# Altium PCB PCB_RF.PcbDoc (part 1 of 2) (continued)
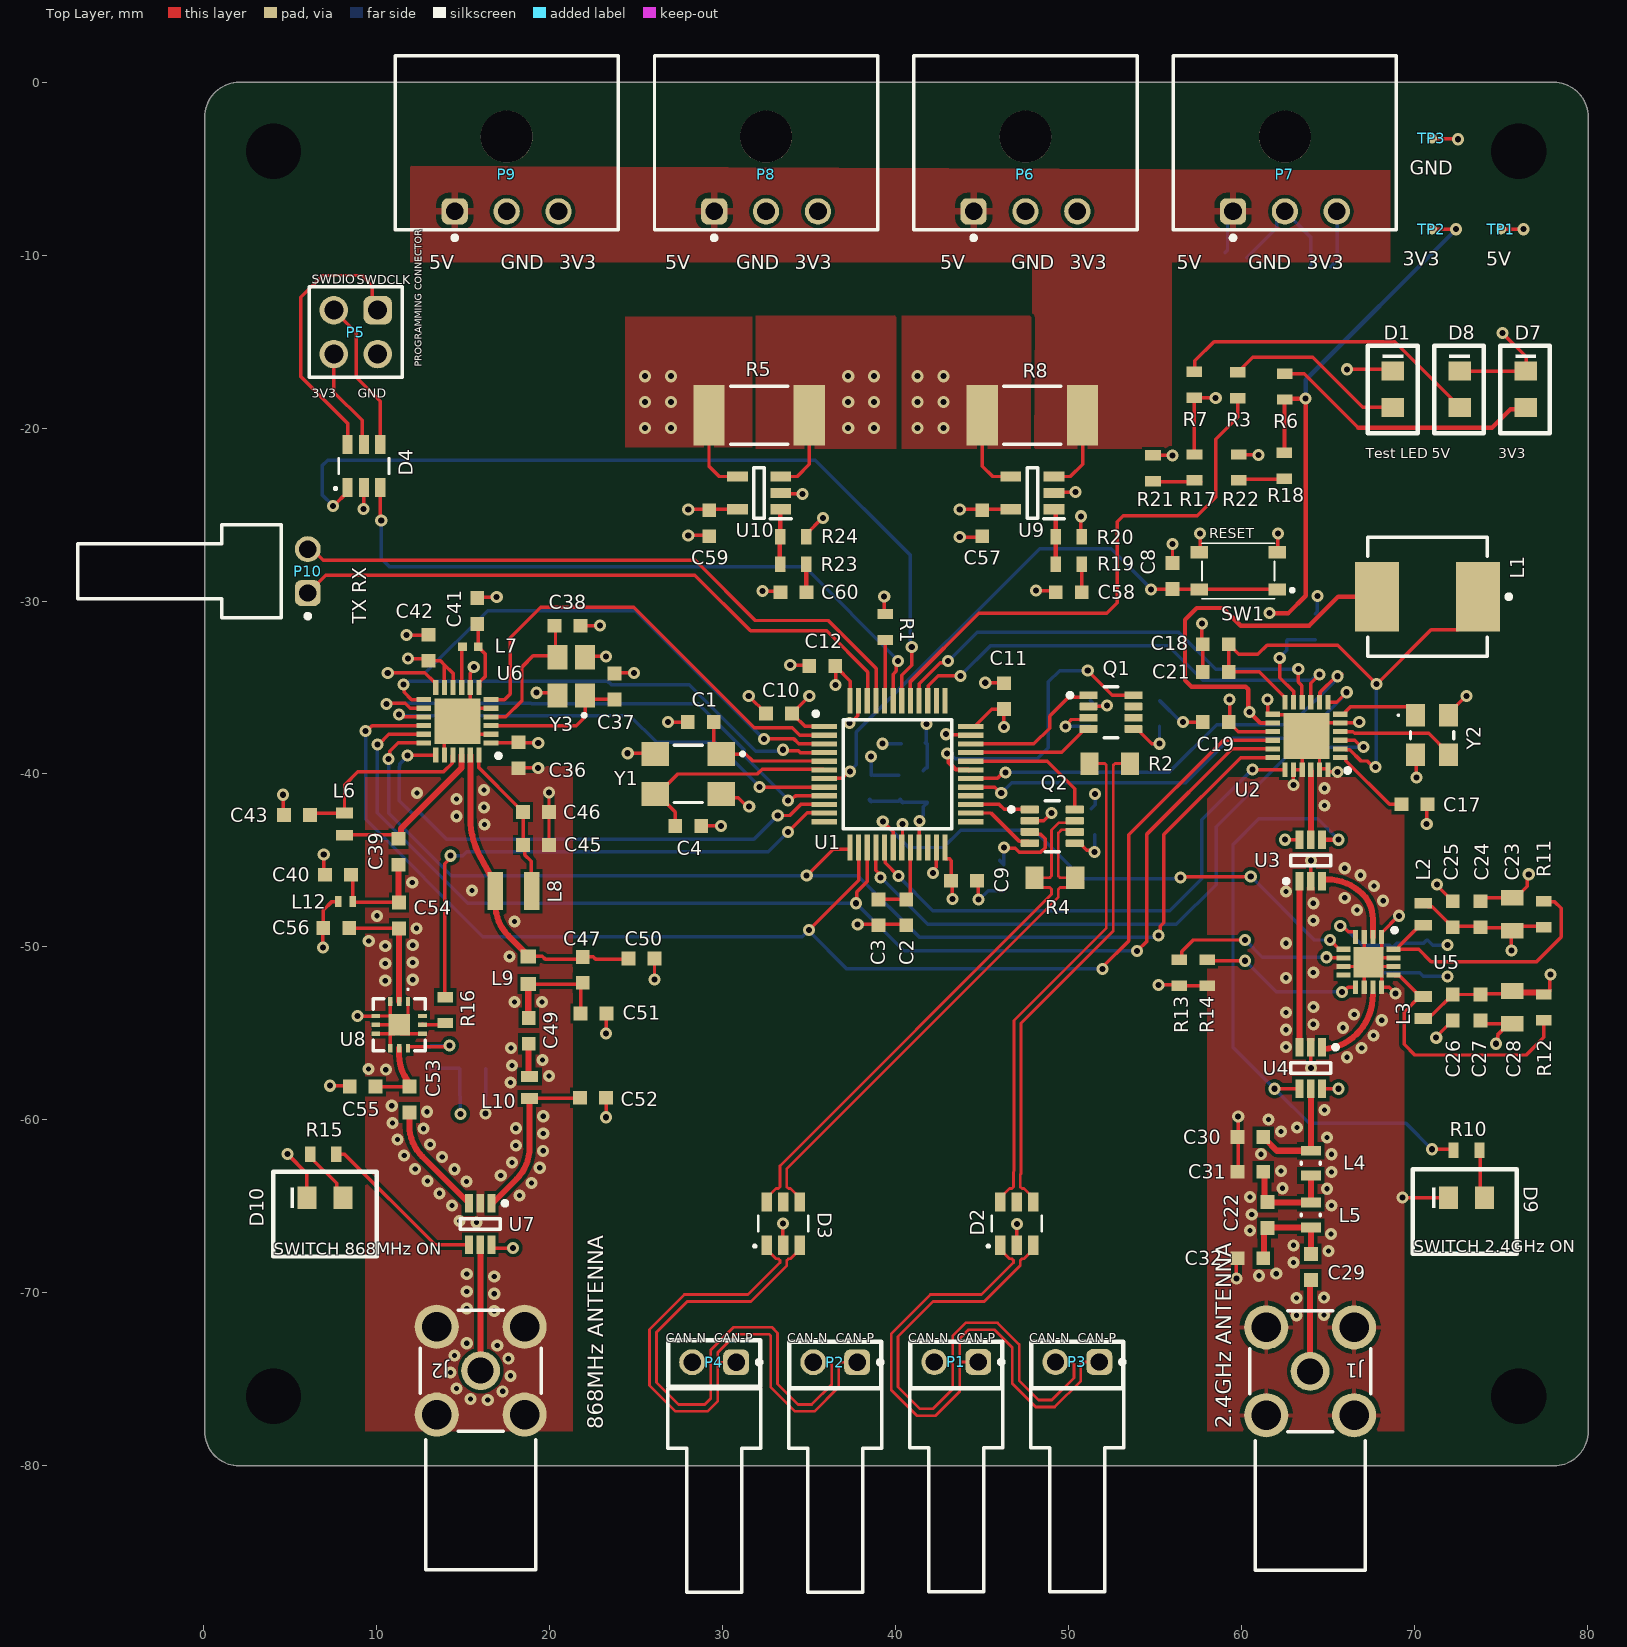
[diagram p0: Top Layer view]
## Part data (continued)
C22 C55: library part CMP-001-00191-1, "WCAP-CSGP Multilayer Ceramic Chip Capacitor, General Purpose, size 0603, NP0, 0.5pF, 100VDC", Capacitance Tolerance=+/-0.25pF, Case/Package=0603, Insulation Resistance=10GOhm, Manufacturer="Wurth Elektronik", Operating Temperature Max=125°C, Operating Temperature Min=-55°C, Rated Voltage (DC)=100V, Category="Multilayer Ceramic Chip Capacitors", Ceramic Type=NP0, Component Type=Standard, ComponentLink1Description="Website Link", ComponentLink1URL=https://www.we-online.com/redexpert/article/885012006086?ad, ComponentLink2Description="Datasheet Link", ComponentLink2URL=https://www.we-online.com/redexpert/spec/885012006086?ad, Design Item ID=885012006086, Height=0.8mm, Length=1.6mm, Manufacturer Part Number=885012006086, Match Code=WCAP-CSGP, Mount="Surface Mount", Packaging="Tape and Reel", Pins=2, Q Factor=410, Source=WCAP-CSGP.SchLib, Technical Reference=NP00603R50C100DFCT10000, Width=0.8mm
C23 C28 C33: library part CMP-001-00055-1, "Ceramic Capacitor, Multilayer, Ceramic, 25V, 10% +Tol, 10% -Tol, X5R, 15% TC, 10uF, Surface Mount, 0805", Capacitor Type=Ceramic, Case/Package=0805, Max Operating Temperature=85°C, Min Operating Temperature=-55°C, Mounting Technology="Surface Mount", Pins=2, RoHS Compliant=Yes
C24 C27: library part CMP-001-00152-1, "WCAP-CSGP Multilayer Ceramic Chip Capacitor, General Purpose, size 0603, NP0, 47pF, 25VDC", Capacitance Tolerance=+/-5%, Case/Package=0603, Insulation Resistance=10GOhm, Manufacturer="Wurth Elektronik", Operating Temperature Max=125°C, Operating Temperature Min=-55°C, Rated Voltage (DC)=25V, Category="Multilayer Ceramic Chip Capacitors", Ceramic Type=NP0, Component Type=Standard, ComponentLink1Description="Website Link", ComponentLink1URL=https://www.we-online.com/redexpert/article/885012006036?ad, ComponentLink2Description="Datasheet Link", ComponentLink2URL=https://www.we-online.com/redexpert/spec/885012006036?ad, Design Item ID=885012006036, Height=0.8mm, Length=1.6mm, Manufacturer Part Number=885012006036, Match Code=WCAP-CSGP, Mount="Surface Mount", Packaging="Tape and Reel", Pins=2, Q Factor=1000, Source=WCAP-CSGP.SchLib, Technical Reference=NP00603470J025DFCT10000, Width=0.8mm
C29 C53: library part CMP-001-00173-1, "WCAP-CSGP Multilayer Ceramic Chip Capacitor, General Purpose, size 0603, NP0, 100pF, 50VDC", Capacitance Tolerance=+/-5%, Case/Package=0603, Insulation Resistance=10GOhm, Manufacturer="Wurth Elektronik", Operating Temperature Max=125°C, Operating Temperature Min=-55°C, Rated Voltage (DC)=50V, Category="Multilayer Ceramic Chip Capacitors", Ceramic Type=NP0, Component Type=Standard, ComponentLink1Description="Website Link", ComponentLink1URL=https://www.we-online.com/redexpert/article/885012006057?ad, ComponentLink2Description="Datasheet Link", ComponentLink2URL=https://www.we-online.com/redexpert/spec/885012006057?ad, Design Item ID=885012006057, Height=0.8mm, Length=1.6mm, Manufacturer Part Number=885012006057, Match Code=WCAP-CSGP, Mount="Surface Mount", Packaging="Tape and Reel", Pins=2, Q Factor=1000, Source=WCAP-CSGP.SchLib, Technical Reference=NP00603101J050DFCT10000, Width=0.8mm
C30: library part CMP-001-00661-1, "Multilayer Ceramic Chip Capacitor, General Purpose, size 0603, X7R, 0.8pF, 50VDC, Tol=0.1pF", Manufacturer="TAIYO YUDEN", Manufacturer Part Number=MBASU063SCK0R8BFNA01, ComponentLink1Description="Website Link", ComponentLink1URL=https://www.we-online.com/redexpert/article/885012206071?ad, ComponentLink2Description="Datasheet Link", ComponentLink2URL=https://www.we-online.com/redexpert/spec/885012206071?ad
C31 C32: library part CMP-001-00661-1, "Multilayer Ceramic Chip Capacitor, General Purpose, size 0603, X7R, 1.2pF, 50VDC, Tol=0.1pF", Manufacturer="KYOCERA AVX", Manufacturer Part Number=06035A1R2B4T2A, ComponentLink1Description="Website Link", ComponentLink1URL=https://www.we-online.com/redexpert/article/885012206071?ad, ComponentLink2Description="Datasheet Link", ComponentLink2URL=https://www.we-online.com/redexpert/spec/885012206071?ad
C37 C38: library part CMP-001-00167-1, "WCAP-CSGP Multilayer Ceramic Chip Capacitor, General Purpose, size 0603, NP0, 10pF, 50VDC", Capacitance Tolerance=+/-5%, Case/Package=0603, Insulation Resistance=10GOhm, Manufacturer="Wurth Elektronik", Operating Temperature Max=125°C, Operating Temperature Min=-55°C, Rated Voltage (DC)=50V, Category="Multilayer Ceramic Chip Capacitors", Ceramic Type=NP0, Component Type=Standard, ComponentLink1Description="Website Link", ComponentLink1URL=https://www.we-online.com/redexpert/article/885012006051?ad, ComponentLink2Description="Datasheet Link", ComponentLink2URL=https://www.we-online.com/redexpert/spec/885012006051?ad, Design Item ID=885012006051, Height=0.8mm, Length=1.6mm, Manufacturer Part Number=885012006051, Match Code=WCAP-CSGP, Mount="Surface Mount", Packaging="Tape and Reel", Pins=2, Q Factor=600, Source=WCAP-CSGP.SchLib, Technical Reference=NP00603100J050DFCT10000, Width=0.8mm
C39: library part CMP-001-00163-1, "WCAP-CSGP Multilayer Ceramic Chip Capacitor, General Purpose, size 0603, NP0, 2.2pF, 50VDC", Capacitance Tolerance=+/-0.5pF, Case/Package=0603, Insulation Resistance=10GOhm, Manufacturer="Wurth Elektronik", Operating Temperature Max=125°C, Operating Temperature Min=-55°C, Rated Voltage (DC)=50V, Category="Multilayer Ceramic Chip Capacitors", Ceramic Type=NP0, Component Type=Standard, ComponentLink1Description="Website Link", ComponentLink1URL=https://www.we-online.com/redexpert/article/885012006047?ad, ComponentLink2Description="Datasheet Link", ComponentLink2URL=https://www.we-online.com/redexpert/spec/885012006047?ad, Design Item ID=885012006047, Height=0.8mm, Length=1.6mm, Manufacturer Part Number=885012006047, Match Code=WCAP-CSGP, Mount="Surface Mount", Packaging="Tape and Reel", Pins=2, Q Factor=444, Source=WCAP-CSGP.SchLib, Technical Reference=NP006032R2D050DFCT10000, Width=0.8mm
C43: library part CMP-001-00193-1, "WCAP-CSGP Multilayer Ceramic Chip Capacitor, General Purpose, size 0603, NP0, 1.5pF, 100VDC", Capacitance Tolerance=+/-0.25pF, Case/Package=0603, Insulation Resistance=10GOhm, Manufacturer="Wurth Elektronik", Operating Temperature Max=125°C, Operating Temperature Min=-55°C, Rated Voltage (DC)=100V, Category="Multilayer Ceramic Chip Capacitors", Ceramic Type=NP0, Component Type=Standard, ComponentLink1Description="Website Link", ComponentLink1URL=https://www.we-online.com/redexpert/article/885012006088?ad, ComponentLink2Description="Datasheet Link", ComponentLink2URL=https://www.we-online.com/redexpert/spec/885012006088?ad, Design Item ID=885012006088, Height=0.8mm, Length=1.6mm, Manufacturer Part Number=885012006088, Match Code=WCAP-CSGP, Mount="Surface Mount", Packaging="Tape and Reel", Pins=2, Q Factor=430, Source=WCAP-CSGP.SchLib, Technical Reference=NP006031R5C100DFCT10000, Width=0.8mm
C45 C46: library part CMP-001-00659-1, "WCAP-CSGP Multilayer Ceramic Chip Capacitor, General Purpose, size 0603, X7R, 47nF, 25VDC", Capacitance Tolerance=+/-10%, Case/Package=0603, Insulation Resistance=10GOhm, Manufacturer="Wurth Elektronik", Operating Temperature Max=125°C, Operating Temperature Min=-55°C, Rated Voltage (DC)=25V, Category="Multilayer Ceramic Chip Capacitors", Ceramic Type=X7R, Component Type=Standard, ComponentLink1Description="Website Link", ComponentLink1URL=https://www.we-online.com/redexpert/article/885012206069?ad, ComponentLink2Description="Datasheet Link", ComponentLink2URL=https://www.we-online.com/redexpert/spec/885012206069?ad, Design Item ID=885012206069, Dissipation Factor=3.5%, Height=0.8mm, Length=1.6mm, Manufacturer Part Number=885012206069, Match Code=WCAP-CSGP, Mount="Surface Mount", Packaging="Tape and Reel", Pins=2, Source=WCAP-CSGP.SchLib, Technical Reference=X7R0603473K025DFCT10000, Width=0.8mm
C47 C49: library part CMP-001-00164-1, "WCAP-CSGP Multilayer Ceramic Chip Capacitor, General Purpose, size 0603, NP0, 3.3pF, 50VDC", Capacitance Tolerance=+/-0.5pF, Case/Package=0603, Insulation Resistance=10GOhm, Manufacturer="Wurth Elektronik", Operating Temperature Max=125°C, Operating Temperature Min=-55°C, Rated Voltage (DC)=50V, Category="Multilayer Ceramic Chip Capacitors", Ceramic Type=NP0, Component Type=Standard, ComponentLink1Description="Website Link", ComponentLink1URL=https://www.we-online.com/redexpert/article/885012006048?ad, ComponentLink2Description="Datasheet Link", ComponentLink2URL=https://www.we-online.com/redexpert/spec/885012006048?ad, Design Item ID=885012006048, Height=0.8mm, Length=1.6mm, Manufacturer Part Number=885012006048, Match Code=WCAP-CSGP, Mount="Surface Mount", Packaging="Tape and Reel", Pins=2, Q Factor=466, Source=WCAP-CSGP.SchLib, Technical Reference=NP006033R3D050DFCT10000, Width=0.8mm
C50 C51 C52: library part CMP-001-00197-1, "WCAP-CSGP Multilayer Ceramic Chip Capacitor, General Purpose, size 0603, NP0, 5.6pF, 100VDC", Capacitance Tolerance=+/-0.5pF, Case/Package=0603, Insulation Resistance=10GOhm, Manufacturer="Wurth Elektronik", Operating Temperature Max=125°C, Operating Temperature Min=-55°C, Rated Voltage (DC)=100V, Category="Multilayer Ceramic Chip Capacitors", Ceramic Type=NP0, Component Type=Standard, ComponentLink1Description="Website Link", ComponentLink1URL=https://www.we-online.com/redexpert/article/885012006092?ad, ComponentLink2Description="Datasheet Link", ComponentLink2URL=https://www.we-online.com/redexpert/spec/885012006092?ad, Design Item ID=885012006092, Height=0.8mm, Length=1.6mm, Manufacturer Part Number=885012006092, Match Code=WCAP-CSGP, Mount="Surface Mount", Packaging="Tape and Reel", Pins=2, Q Factor=512, Source=WCAP-CSGP.SchLib, Technical Reference=NP006035R6D100DFCT10000, Width=0.8mm
C58 C60: library part CMP-001-00652-1, "WCAP-CSGP Multilayer Ceramic Chip Capacitor, General Purpose, size 0603, X7R, 3.3nF, 25VDC", Capacitance Tolerance=+/-10%, Case/Package=0603, Insulation Resistance=10GOhm, Manufacturer="Wurth Elektronik", Operating Temperature Max=125°C, Operating Temperature Min=-55°C, Rated Voltage (DC)=25V, Category="Multilayer Ceramic Chip Capacitors", Ceramic Type=X7R, Component Type=Standard, ComponentLink1Description="Website Link", ComponentLink1URL=https://www.we-online.com/redexpert/article/885012206062?ad, ComponentLink2Description="Datasheet Link", ComponentLink2URL=https://www.we-online.com/redexpert/spec/885012206062?ad, Design Item ID=885012206062, Dissipation Factor=3.5%, Height=0.8mm, Length=1.6mm, Manufacturer Part Number=885012206062, Match Code=WCAP-CSGP, Mount="Surface Mount", Packaging="Tape and Reel", Pins=2, Source=WCAP-CSGP.SchLib, Technical Reference=X7R0603332K025DFCT10000, Width=0.8mm
D1: library part CMP-004-00456-1, "WL-SMCW Mono-color Chip LED Waterclear, SMT, size 0805, Yellow, 2V, 140°", Case/Package=0805, Emitting Color=Yellow, Forward Voltage=2V, Manufacturer="Wurth Elektronik", Operating Temperature Max=85°C, Operating Temperature Min=-40°C, Category="Signal LEDs", Chip Technology=AlInGaP, Component Type=Standard, ComponentLink1Description="Website Link", ComponentLink1URL=https://www.we-online.com/redexpert/article/150080YS75000?ad, ComponentLink2Description="Datasheet Link", ComponentLink2URL=https://www.we-online.com/redexpert/spec/150080YS75000?ad, Design Item ID=150080YS75000, Dominant Wavelength=590nm, Height=0.7mm, Length=2mm, Luminous Intensity=120mcd, Manufacturer Part Number=150080YS75000, Match Code=WL-SMCW, Mount="Surface Mount", Packaging="Tape and Reel", Peak Wavelength=595nm, Pins=2, Source=WL-SMCW.SchLib, Viewing Angle=140°, Width=1.25mm
D2 D3 D4: library part CMP-004-00017-1, "WE-TVS TVS Diode – High Speed Series, SOT23-6L, 2+1 Channel, 5V, 2pF", (Reverse) Breakdown Voltage=6V, (Reverse) Peak Pulse Current=7A, Case/Package=SOT23-6L, Channel ESD Clamping Voltage=10V, Channel Input Capacitance=2pF, Channel Operating Voltage=5V, Channel Reverse Leakage Current=1uA, Manufacturer="Wurth Elektronik", Operating Temperature Max=125°C, Operating Temperature Min=-40°C, Category="ESD Protection", Component Type=Standard, ComponentLink1Description="Website Link", ComponentLink1URL=https://www.we-online.com/redexpert/article/82400102?ad, ComponentLink2Description="Datasheet Link", ComponentLink2URL=https://www.we-online.com/redexpert/spec/82400102?ad, Design Item ID=82400102, ESD Air Discharge Capability=15kV, ESD Contact Discharge Capability=8kV, Height=1.45mm, Length=2.9mm, Manufacturer Part Number=82400102, Match Code=WE-TVS, Mount="Surface Mount", Number of Channels=2+1, Packaging="Tape and Reel", Pins=6, Polarity=Unidirectional, Source=WE-TVS.SchLib, Width=2.8mm
D5: library part CMP-03913-133963840-1, "824032813 Tvs Diode, Bidir, 3.3V, Dfn1610 Rohs Compliant: Yes", Max Operating Temperature=125°C, Min Operating Temperature=-55°C, Height=500µm, Length=1.6mm, NexarPartId=133963840, RoHS=Compliant, Width=1mm
D6: library part CMP-03913-133963841-1, "824032815 Tvs Diode, Bidir, 5V, Dfn1610 Rohs Compliant: Yes", Max Operating Temperature=85°C, Min Operating Temperature=-55°C, Height=500µm, Length=1.6mm, NexarPartId=133963841, RoHS=Compliant, Width=1mm
D7 D8: library part CMP-004-00452-1, "WL-SMCW Mono-color Chip LED Waterclear, SMT, size 0805, Green, 3.2V, 140°", Case/Package=0805, Emitting Color=Green, Forward Voltage=3.2V, Manufacturer="Wurth Elektronik", Operating Temperature Max=85°C, Operating Temperature Min=-40°C, Category="Signal LEDs", Chip Technology=InGaN, Component Type=Standard, ComponentLink1Description="Website Link", ComponentLink1URL=https://www.we-online.com/redexpert/article/150080GS75000?ad, ComponentLink2Description="Datasheet Link", ComponentLink2URL=https://www.we-online.com/redexpert/spec/150080GS75000?ad, Design Item ID=150080GS75000, Dominant Wavelength=525nm, Height=0.7mm, Length=2mm, Luminous Intensity=450mcd, Manufacturer Part Number=150080GS75000, Match Code=WL-SMCW, Mount="Surface Mount", Packaging="Tape and Reel", Peak Wavelength=515nm, Pins=2, Source=WL-SMCW.SchLib, Viewing Angle=140°, Width=1.25mm
D9 D10: library part CMP-004-00453-1, "WL-SMCW Mono-color Chip LED Waterclear, SMT, size 0805, Red, 2V, 140°", Case/Package=0805, Emitting Color=Red, Forward Voltage=2V, Manufacturer="Wurth Elektronik", Operating Temperature Max=85°C, Operating Temperature Min=-40°C, Category="Signal LEDs", Chip Technology=AlInGaP, Component Type=Standard, ComponentLink1Description="Website Link", ComponentLink1URL=https://www.we-online.com/redexpert/article/150080RS75000?ad, ComponentLink2Description="Datasheet Link", ComponentLink2URL=https://www.we-online.com/redexpert/spec/150080RS75000?ad, Design Item ID=150080RS75000, Dominant Wavelength=625nm, Height=0.7mm, Length=2mm, Luminous Intensity=150mcd, Manufacturer Part Number=150080RS75000, Match Code=WL-SMCW, Mount="Surface Mount", Packaging="Tape and Reel", Peak Wavelength=630nm, Pins=2, Source=WL-SMCW.SchLib, Viewing Angle=140°, Width=1.25mm
FB1: library part CMP-006-00120-1, "WE-CBF SMT EMI Suppression Ferrite Bead, size 0603, 120Ohm, 2A", Case/Package=0603, DC Resistance Max=0.05Ohm, Manufacturer="Wurth Elektronik", Operating Temperature Max=125°C, Operating Temperature Min=-55°C, Rated Current=2A, Category="Ferrites for PCB Assembly", Component Type=Standard, ComponentLink1Description="Website Link", ComponentLink1URL=https://www.we-online.com/redexpert/article/742792625?ad, ComponentLink2Description="Datasheet Link", ComponentLink2URL=https://www.we-online.com/redexpert/spec/742792625?ad, Design Item ID=742792625, Height=0.8mm, Impedance @100MHz=120Ohm, Impedance Max=180Ohm, Impedance Max Test Condition=400MHz, Length=1.6mm, Manufacturer Part Number=742792625, Match Code=WE-CBF, Mount="Surface Mount", Packaging="Tape and Reel", Pins=2, Source=WE-CBF.SchLib, Type="High Current", Width=0.8mm
J1 J2: library part CMP-03913-97004421-2, "60311002114501 Rf Coax Conn, Sma R/A Jack, 50 Ohm, Pcb Rohs Compliant: Yes", Insulation Resistance=5GΩ, Max Operating Temperature=165°C, Min Operating Temperature=-65°C, Connector Type=SMA, Impedance=50Ω, Insertion Loss (dB)=0.14dB, Insulation Material=PTFE, NexarPartId=97004421, Orientation="Right Angle"
L1: library part CMP-006-00671-1, "WE-LHCA Low Profile High Current Inductor, SMT, size 7030, 15uH, 3A", Case/Package=7030, DC Resistance=96mOhm, Inductance=15uH, Manufacturer="Wurth Elektronik", Operating Temperature Max=155°C, Operating Temperature Min=-55°C, Performance Rated Current=3A, Saturation Current=4.8A, Category="Power Inductors", Component Type=Standard, ComponentLink1Description="Website Link", ComponentLink1URL=https://www.we-online.com/redexpert/article/784373460150?ad, ComponentLink2Description="Datasheet Link", ComponentLink2URL=https://www.we-online.com/redexpert/spec/784373460150?ad, Design Item ID=784373460150, Height=2.8mm, Length=6.95mm, Manufacturer Part Number=784373460150, Match Code=WE-LHCA, Mount="Surface Mount", Packaging="Tape and Reel", Pins=2, Source=WE-LHCA.SchLib, Width=6.6mm
L2: library part CMP-03913-65277807-1, "744761056A Wirewound Inductor, 5.6Nh, 0.7A, 0603 Rohs Compliant: Yes", Ambient Temperature Range High=110°C, Ambient Temperature Range Low=-40°C, Current Rating=700mA, Inductance=5.6nH, Max Operating Temperature=125°C, Height=1.05mm, Length=1.6mm, Min Operating Temperature=-40°C, NexarPartId=65277807, RoHS=Compliant, Width=1.05mm
L3: library part CMP-03913-22865515-1, "744761016A WE-KI SMT Wire Wound Ceramic Inductor", Ambient Temperature Range High=110°C, Ambient Temperature Range Low=-40°C, Case Code (Imperial)=0603, Case Code (Metric)=1608, Current Rating=700mA, DC Resistance (DCR)=30mΩ, Inductance Tolerance=5%, Max Operating Temperature=125°C, Self Resonant Frequency=12.5GHz, Case/Package=0603, Core Material=Ceramic, Height=1.05mm, Inductance=1.6nH, Length=1.6mm, Max DC Current=700mA, Min Operating Temperature=-40°C, Mount="Surface Mount", NexarPartId=22865515, Number of Pins=2, Packaging="Cut Tape", Q Factor=40, REACH SVHC=Unknown, Resistance=30mΩ, RoHS=Compliant, Width=1.05mm
L4: library part CMP-06042-001485-1, "Wire Wound RF Inductor 3nH ±0.2nH 670mA 0.17Ω 0603 (1608)", Case Code (Imperial)=0603, Case Code (Metric)=1608, Current Rating=670mA, DC Resistance (DCR)=170mR, Max Operating Temperature=125°C, Min Operating Temperature=-55°C, Package Quantity=4000, Resistor Type=Wirewound, Self Resonant Frequency=15GHz, Test Frequency=100MHz, Case/Package=0603, Core Material=Non-Magnetic, Height=0.9mm, Height - Seated (Max)=0.039inch, Inductance=3nH, Length=0.065inch, Max DC Current=670mA, Mount="Surface Mount", Packaging="Tape and Reel", Q Factor=13, Shielding=Unshielded, Termination=SMD/SMT, Weight=7.1E-05oz, Width=0.99mm
L5: library part CMP-06042-015805-1, "Wire Wound RF Inductor 2.4nH ±0.2nH 2400mA 0.026Ω 0603 (1608)", Case/Package=0603, Current Rating=2.4A, DC Resistance (DCR)=26mR, Inductance=2.4nH, Max Operating Temperature=125°C, Min Operating Temperature=-55°C, Package Quantity=4000, Resistor Type=Wirewound, Self Resonant Frequency=15GHz, Test Frequency=100MHz, Height - Seated (Max)=0.039inch, Length=0.065inch, Mount="Surface Mount", Packaging="Tape and Reel", Shielding=Unshielded, Width=0.035inch
L6: library part CMP-006-00432-1, "WE-KI SMT Wire Wound Ceramic Inductor, size 0603, 15nH, 0.7A, 0.17O", Case/Package=0603, DC Resistance Max=0.17O, Inductance=15nH, Inductance Tolerance=+/-5%, Manufacturer="Wurth Elektronik", Operating Temperature Max=125°C, Operating Temperature Min=-40°C, Rated Current=0.7A, Self Resonant Frequency=4GHz, Category="RF Inductors", Component Type=Standard, ComponentLink1Description="Website Link", ComponentLink1URL=https://www.we-online.com/redexpert/article/744761115A?ad, ComponentLink2Description="Datasheet Link", ComponentLink2URL=https://www.we-online.com/redexpert/spec/744761115A?ad, Design Item ID=744761115A, Height=1.05mm, Length=1.6mm, Manufacturer Part Number=744761115A, Match Code=WE-KI, Mount="Surface Mount", Packaging="Tape and Reel", Pins=2, Q Factor=35, Source=WE-KI.SchLib, Width=1.05mm
L7: library part CMP-03913-14415885-1, "744901115 Fixed Ind 15NH 130MA 1.8 Ohm SMD", Case Code (Imperial)=0402, Case Code (Metric)=1005, Current Rating=130mA, DC Resistance (DCR)=910mΩ, Inductance=15nH, Inductance Tolerance=2%, Max Operating Temperature=125°C, Min Operating Temperature=-40°C, Self Resonant Frequency=3.3GHz, Test Frequency=500MHz, Case/Package=0402, Composition="Thin Film", Core Material=Alumina, Height=320µm, Height - Seated (Max)=406.4µm, Length=1mm, Max DC Current=130mA, Mount="Surface Mount", NexarPartId=14415885, Number of Pins=2, Packaging="Cut Tape (CT)", Q Factor=13, REACH SVHC=Unknown, RoHS=Compliant, Shielding=Unshielded, Termination=SMD/SMT, Tolerance=2%, Weight=652.039032µg, Width=500µm
L8: library part CMP-006-00525-1, "WE-KI SMT Wire Wound Ceramic Inductor, size 1008, 47nH, 1A, 0.1O", Case/Package=1008, DC Resistance Max=0.1O, Inductance=47nH, Inductance Tolerance=+/-5%, Manufacturer="Wurth Elektronik", Operating Temperature Max=125°C, Operating Temperature Min=-40°C, Rated Current=1A, Self Resonant Frequency=1.5GHz, Category="RF Inductors", Component Type=Standard, ComponentLink1Description="Website Link", ComponentLink1URL=https://www.we-online.com/redexpert/article/744762147A?ad, ComponentLink2Description="Datasheet Link", ComponentLink2URL=https://www.we-online.com/redexpert/spec/744762147A?ad, Design Item ID=744762147A, Height=1.6mm, Length=2.5mm, Manufacturer Part Number=744762147A, Match Code=WE-KI, Mount="Surface Mount", Packaging="Tape and Reel", Pins=2, Q Factor=60, Source=WE-KI.SchLib, Width=2mm
L9: library part CMP-006-00722-1, "WE-MCI Multilayer Ceramic SMT Inductor, size 0603, 2.2nH, 950mA, 0.1Ohm", Case/Package=0603, DC Resistance Max=0.1Ohm, Inductance=2.2nH, Inductance Tolerance=+/-0.3, Manufacturer="Wurth Elektronik", Operating Temperature Max=125°C, Operating Temperature Min=-55°C, Rated Current=950mA, Self Resonant Frequency=6GHz, Automotive=Yes, Category="RF Inductors", Component Type=Standard, ComponentLink1Description="Website Link", ComponentLink1URL=https://www.we-online.com/redexpert/article/7847805220?ad, ComponentLink2Description="Datasheet Link", ComponentLink2URL=https://www.we-online.com/redexpert/spec/7847805220?ad, Design Item ID=7847805220, Height=0.8mm, Length=1.6mm, Manufacturer Part Number=7847805220, Match Code=WE-MCI, Mount="Surface Mount", Packaging="Tape and Reel", Pins=2, Q Factor=8, Source=WE-MCI.SchLib, Width=0.8mm
L10: library part CMP-006-00407-1, "WE-KI SMT Wire Wound Ceramic Inductor, size 0603, 4.7nH, 0.7A, 0.13O", Case/Package=0603, DC Resistance Max=0.13O, Inductance=4.7nH, Inductance Tolerance=+/-0.2nH, Manufacturer="Wurth Elektronik", Operating Temperature Max=125°C, Operating Temperature Min=-40°C, Rated Current=0.7A, Self Resonant Frequency=5.8GHz, Category="RF Inductors", Component Type=Standard, ComponentLink1Description="Website Link", ComponentLink1URL=https://www.we-online.com/redexpert/article/744761047A?ad, ComponentLink2Description="Datasheet Link", ComponentLink2URL=https://www.we-online.com/redexpert/spec/744761047A?ad, Design Item ID=744761047A, Height=1.05mm, Length=1.6mm, Manufacturer Part Number=744761047A, Match Code=WE-KI, Mount="Surface Mount", Packaging="Tape and Reel", Pins=2, Q Factor=20, Source=WE-KI.SchLib, Width=1.05mm
L11: library part CMP-006-00269-1, "WE-RFI Ferrite SMT Inductor, size 0603, 39nH, 1170mA, 2320MHz", Case/Package=0603, DC Resistance Max=42mOhm, Inductance=39nH, Inductance Tolerance=+/-5%, Manufacturer="Wurth Elektronik", Operating Temperature Max=85°C, Operating Temperature Min=-40°C, Rated Current=1170mA, Self Resonant Frequency=2.32GHz, Category="RF Inductors", Component Type=Standard, ComponentLink1Description="Website Link", ComponentLink1URL=https://www.we-online.com/redexpert/article/7447610139?ad, ComponentLink2Description="Datasheet Link", ComponentLink2URL=https://www.we-online.com/redexpert/spec/7447610139?ad, Design Item ID=7447610139, Height=0.9mm, Impedance @100MHz=20Ohm, Impedance Max=160Ohm, Impedance Max Test Condition=2320MHz, Length=1.65mm, Manufacturer Part Number=7447610139, Match Code=WE-RFI, Mount="Surface Mount", Packaging="Tape and Reel", Pins=2, Q Factor=12, Source=WE-RFI.SchLib, Width=1.1mm
L12: library part CMP-03913-11914106-1, "744765122A WE-KI SMT Wire Wound Ceramic Inductor", Ambient Temperature Range High=110°C, Ambient Temperature Range Low=-40°C, Case Code (Imperial)=0402, Case Code (Metric)=1005, Current Rating=400mA, DC Resistance (DCR)=300mΩ, Frequency=250MHz, Inductance Tolerance=5%, Max Operating Temperature=125°C, Self Resonant Frequency=2.8GHz, Case/Package=0402, Composition="Ceramic, Wirewound", Core Material=Ceramic, Depth=550µm, Height=500µm, Height - Seated (Max)=609.6µm, Inductance=22nH, Length=1mm, Material=Ceramic, Max DC Current=400mA, Min Operating Temperature=-40°C, Mount="Surface Mount", NexarPartId=11914106, Number of Pins=2, Packaging="Cut Tape (CT)", Q Factor=25, REACH SVHC=Unknown, Resistance=300mΩ, RoHS=Compliant, Series Resistance=300mΩ, Shielding=Unshielded, Termination=SMD/SMT, Test Frequency=250MHz, Tolerance=5%, Weight=20mg, Width=550µm
P1 P2 P3 P4 P10: library part CMP-002-00288-1, "WR-WTB THT Male Right Angled Top Locking Header, pitch 2.54mm, 2pins", Contact Resistance=20mOhm, Manufacturer="Wurth Elektronik", Operating Temperature Max=105°C, Operating Temperature Min=-40°C, Rated Current=3A, Withstanding Voltage=1000VAC, Working Voltage=250VAC, Category="Wire-to-Board Connectors", Component Type=Standard, ComponentLink1Description="Website Link", ComponentLink1URL=https://www.we-online.com/redexpert/article/61900219521?ad, ComponentLink2Description="Datasheet Link", ComponentLink2URL=https://www.we-online.com/redexpert/spec/61900219521?ad, Design Item ID=61900219521, Gender=Male, Height=5.8mm, Length=5.08mm, Manufacturer Part Number=61900219521, Match Code=WR-WTB, Mount="Through Hole", Number of Rows=1, Orientation="Right Angled Top Locking", Packaging=Bag, Pin Count=2, Pins=2, Pitch=2.54mm, Source=WR-WTB.SchLib, Width=12.47mm
P5: library part CMP-002-00747-2, "Board Connector, 4 Contact(s), 2 Row(s), Male, Straight, 0.1 inch Pitch, Solder Terminal, Black Insulator, Plug", Max Operating Temperature=125°C, Min Operating Temperature=-40°C, Connector Type="BOARD CONNECTOR", Mounting Technology=Board, RoHS Compliant=Yes
P6 P7 P8 P9: library part CMP-1502-00462-2, Contact Resistance=10mΩ, Current Rating=5A, Insulation Resistance=1GΩ, Max Operating Temperature=105°C, Min Operating Temperature=-40°C, Operating Supply Voltage=250V, Contact Plating=Tin, Gender=Male, Lead Pitch=3mm, Length=12.65mm, NexarPartId=29930352, Number of Pins=3, Pitch=3mm, RoHS=Compliant
Q1 Q2: library part CMP-015-00003-4, "Enhanced automotive CAN transceiver with standby 8-SOT-23-THIN -40 to 150"
R1 R17 R18: library part CMP-009-00328-1, "WRIS-RSKS Thick Film Resistor, size 0603, 10000Ohm, 100mW", Case/Package=0603, Limiting Element Voltage=75V, Manufacturer="Wurth Elektronik", Operating Temperature Max=155°C, Operating Temperature Min=-55°C, Rated Power=100mW, Resistance Tolerance=+/-1%, Temperature Coefficient of Resistance Max=100ppm/°C, Temperature Coefficient of Resistance Min=-100ppm/°C, Category="Thick Film Resistors", Component Type=Standard, ComponentLink1Description="Website Link", ComponentLink1URL=https://www.we-online.com/redexpert/article/560112116005?ad, ComponentLink2Description="Datasheet Link", ComponentLink2URL=https://www.we-online.com/redexpert/spec/560112116005?ad, Design Item ID=560112116005, Height=0.45mm, Length=1.6mm, Manufacturer Part Number=560112116005, Match Code=WRIS-RSKS, Mount="Surface Mount", Packaging="Tape and Reel", Pins=2, Source=WRIS-RSKS.SchLib, Width=0.8mm
R2 R4: library part CMP-009-00119-3, "Fixed Resistor, Metal Glaze/thick Film, 0.4W, 120ohm, 150V, 1% +/-Tol, 100ppm/Cel, Surface Mount, 0805", Case/Package=0805, Power=500mW, Mounting Technology=SMD, Pins=2
R3 R7 R10 R15: library part CMP-009-00337-1, "WRIS-RSKS Thick Film Resistor, size 0603, 1000Ohm, 100mW", Case/Package=0603, Limiting Element Voltage=75V, Manufacturer="Wurth Elektronik", Operating Temperature Max=155°C, Operating Temperature Min=-55°C, Rated Power=100mW, Resistance Tolerance=+/-1%, Temperature Coefficient of Resistance Max=100ppm/°C, Temperature Coefficient of Resistance Min=-100ppm/°C, Category="Thick Film Resistors", Component Type=Standard, ComponentLink1Description="Website Link", ComponentLink1URL=https://www.we-online.com/redexpert/article/560112116014?ad, ComponentLink2Description="Datasheet Link", ComponentLink2URL=https://www.we-online.com/redexpert/spec/560112116014?ad, Design Item ID=560112116014, Height=0.45mm, Length=1.6mm, Manufacturer Part Number=560112116014, Match Code=WRIS-RSKS, Mount="Surface Mount", Packaging="Tape and Reel", Pins=2, Source=WRIS-RSKS.SchLib, Width=0.8mm
R5 R8: library part CMP-009-00124-2, "Res, 0R01, 1%, 2W, Metal Foil, 0612 Rohs Compliant: Yes"
R6 R19 R23: library part CMP-009-00390-1, "WRIS-RSKS Thick Film Resistor, size 0603, 470Ohm, 100mW", Case/Package=0603, Limiting Element Voltage=75V, Manufacturer="Wurth Elektronik", Operating Temperature Max=155°C, Operating Temperature Min=-55°C, Rated Power=100mW, Resistance Tolerance=+/-1%, Temperature Coefficient of Resistance Max=100ppm/°C, Temperature Coefficient of Resistance Min=-100ppm/°C, Category="Thick Film Resistors", Component Type=Standard, ComponentLink1Description="Website Link", ComponentLink1URL=https://www.we-online.com/redexpert/article/560112116067?ad, ComponentLink2Description="Datasheet Link", ComponentLink2URL=https://www.we-online.com/redexpert/spec/560112116067?ad, Design Item ID=560112116067, Height=0.45mm, Length=1.6mm, Manufacturer Part Number=560112116067, Match Code=WRIS-RSKS, Mount="Surface Mount", Packaging="Tape and Reel", Pins=2, Source=WRIS-RSKS.SchLib, Width=0.8mm
R9 R13 R14 R16: library part CMP-009-00324-1, "WRIS-RSKS Thick Film Resistor, size 0603, 100mW", Case/Package=0603, Manufacturer="Wurth Elektronik", Manufacturer Part Number=560112116001, Operating Temperature Max=155°C, Operating Temperature Min=-55°C, Rated Power=100mW, Category="Thick Film Resistors", Component Type=Standard, ComponentLink1Description="Website Link", ComponentLink1URL=https://www.we-online.com/redexpert/article/560112116001?ad, ComponentLink2Description="Datasheet Link", ComponentLink2URL=https://www.we-online.com/redexpert/spec/560112116001?ad, Design Item ID=560112116001, Height=0.45mm, Length=1.6mm, Match Code=WRIS-RSKS, Mount="Surface Mount", Packaging="Tape and Reel", Pins=2, Source=WRIS-RSKS.SchLib, Width=0.8mm
R11 R12: library part CMP-009-00449-1, "WRIS-RSKS Thick Film Resistor, size 0603, 220Ohm, 100mW", Case/Package=0603, Limiting Element Voltage=75V, Manufacturer="Wurth Elektronik", Operating Temperature Max=155°C, Operating Temperature Min=-55°C, Rated Power=100mW, Resistance Tolerance=+/-1%, Temperature Coefficient of Resistance Max=100ppm/°C, Temperature Coefficient of Resistance Min=-100ppm/°C, Category="Thick Film Resistors", Component Type=Standard, ComponentLink1Description="Website Link", ComponentLink1URL=https://www.we-online.com/redexpert/article/560112116126?ad, ComponentLink2Description="Datasheet Link", ComponentLink2URL=https://www.we-online.com/redexpert/spec/560112116126?ad, Design Item ID=560112116126, Height=0.45mm, Length=1.6mm, Manufacturer Part Number=560112116126, Match Code=WRIS-RSKS, Mount="Surface Mount", Packaging="Tape and Reel", Pins=2, Source=WRIS-RSKS.SchLib, Width=0.8mm
R20 R24: library part CMP-009-00342-1, "WRIS-RSKS Thick Film Resistor, size 0603, 470000Ohm, 100mW", Case/Package=0603, Limiting Element Voltage=75V, Manufacturer="Wurth Elektronik", Operating Temperature Max=155°C, Operating Temperature Min=-55°C, Rated Power=100mW, Resistance Tolerance=+/-1%, Temperature Coefficient of Resistance Max=100ppm/°C, Temperature Coefficient of Resistance Min=-100ppm/°C, Category="Thick Film Resistors", Component Type=Standard, ComponentLink1Description="Website Link", ComponentLink1URL=https://www.we-online.com/redexpert/article/560112116019?ad, ComponentLink2Description="Datasheet Link", ComponentLink2URL=https://www.we-online.com/redexpert/spec/560112116019?ad, Design Item ID=560112116019, Height=0.45mm, Length=1.6mm, Manufacturer Part Number=560112116019, Match Code=WRIS-RSKS, Mount="Surface Mount", Packaging="Tape and Reel", Pins=2, Source=WRIS-RSKS.SchLib, Width=0.8mm
R21: library part CMP-009-00358-1, "WRIS-RSKS Thick Film Resistor, size 0603, 15000Ohm, 100mW", Case/Package=0603, Limiting Element Voltage=75V, Manufacturer="Wurth Elektronik", Operating Temperature Max=155°C, Operating Temperature Min=-55°C, Rated Power=100mW, Resistance Tolerance=+/-1%, Temperature Coefficient of Resistance Max=100ppm/°C, Temperature Coefficient of Resistance Min=-100ppm/°C, Category="Thick Film Resistors", Component Type=Standard, ComponentLink1Description="Website Link", ComponentLink1URL=https://www.we-online.com/redexpert/article/560112116035?ad, ComponentLink2Description="Datasheet Link", ComponentLink2URL=https://www.we-online.com/redexpert/spec/560112116035?ad, Design Item ID=560112116035, Height=0.45mm, Length=1.6mm, Manufacturer Part Number=560112116035, Match Code=WRIS-RSKS, Mount="Surface Mount", Packaging="Tape and Reel", Pins=2, Source=WRIS-RSKS.SchLib, Width=0.8mm
R22: library part CMP-009-00327-1, "WRIS-RSKS Thick Film Resistor, size 0603, 100000Ohm, 100mW", Case/Package=0603, Limiting Element Voltage=75V, Manufacturer="Wurth Elektronik", Operating Temperature Max=155°C, Operating Temperature Min=-55°C, Rated Power=100mW, Resistance Tolerance=+/-1%, Temperature Coefficient of Resistance Max=100ppm/°C, Temperature Coefficient of Resistance Min=-100ppm/°C, Category="Thick Film Resistors", Component Type=Standard, ComponentLink1Description="Website Link", ComponentLink1URL=https://www.we-online.com/redexpert/article/560112116004?ad, ComponentLink2Description="Datasheet Link", ComponentLink2URL=https://www.we-online.com/redexpert/spec/560112116004?ad, Design Item ID=560112116004, Height=0.45mm, Length=1.6mm, Manufacturer Part Number=560112116004, Match Code=WRIS-RSKS, Mount="Surface Mount", Packaging="Tape and Reel", Pins=2, Source=WRIS-RSKS.SchLib, Width=0.8mm
SW1: library part CMP-011-00002-1, "Keypad Switch, 1 Switches, SPST, Momentary-tactile, 0.05A, 12VDC, 2.26N, Solder Terminal, Surface Mount-straight"